# KiCad board sdi-fiber-adapter.kicad_pcb
title: SDI-Fiber Adapter; date: 2026-04-01; rev: 1.0.1; company: Antmicro; note: www.antmicro.com
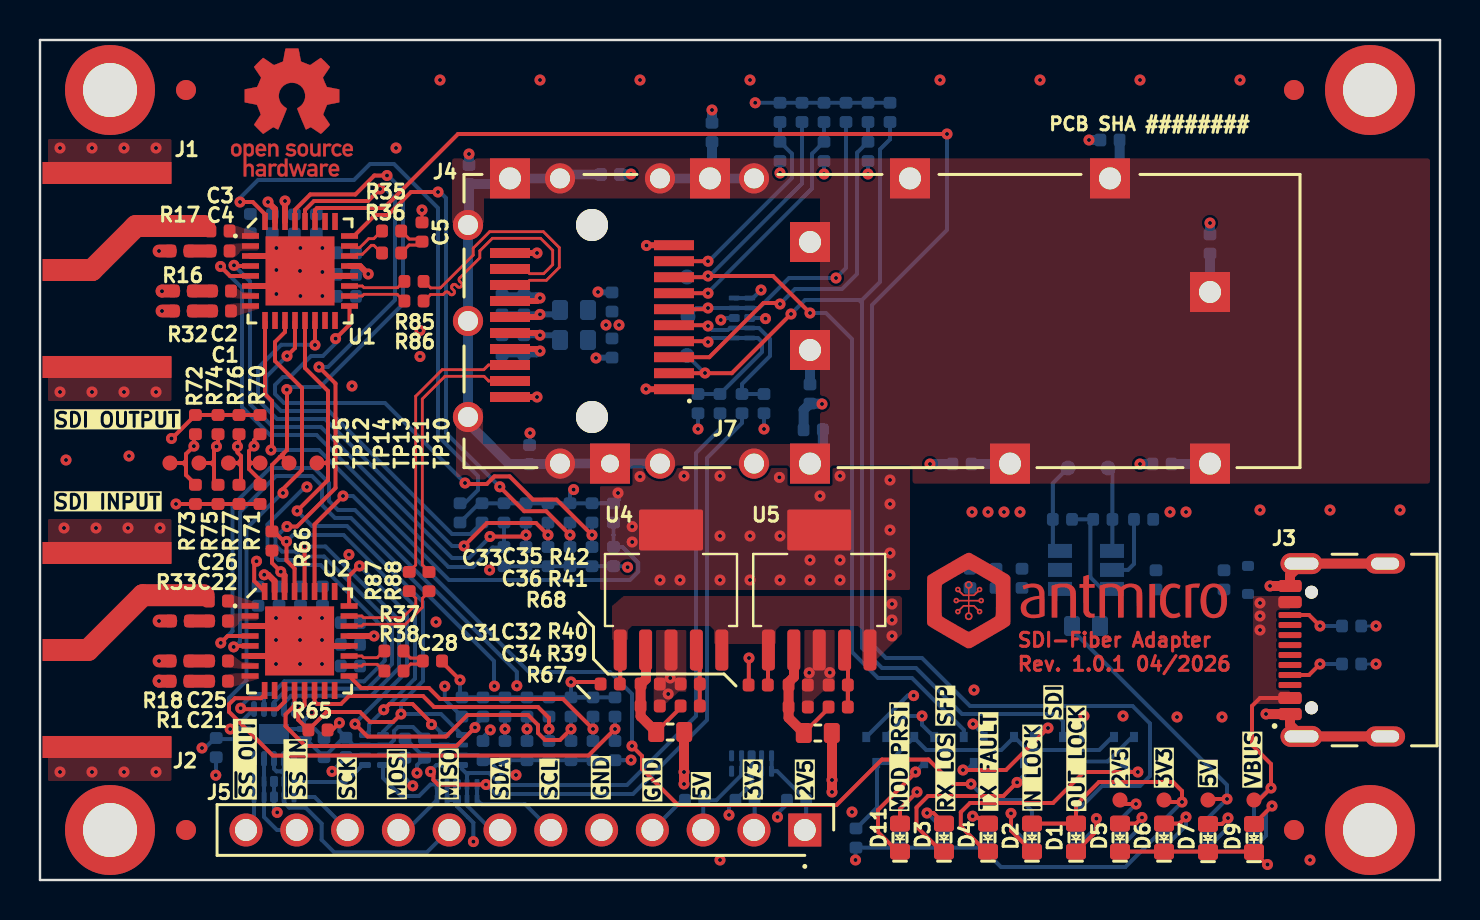
[diagram p0: board, top side]
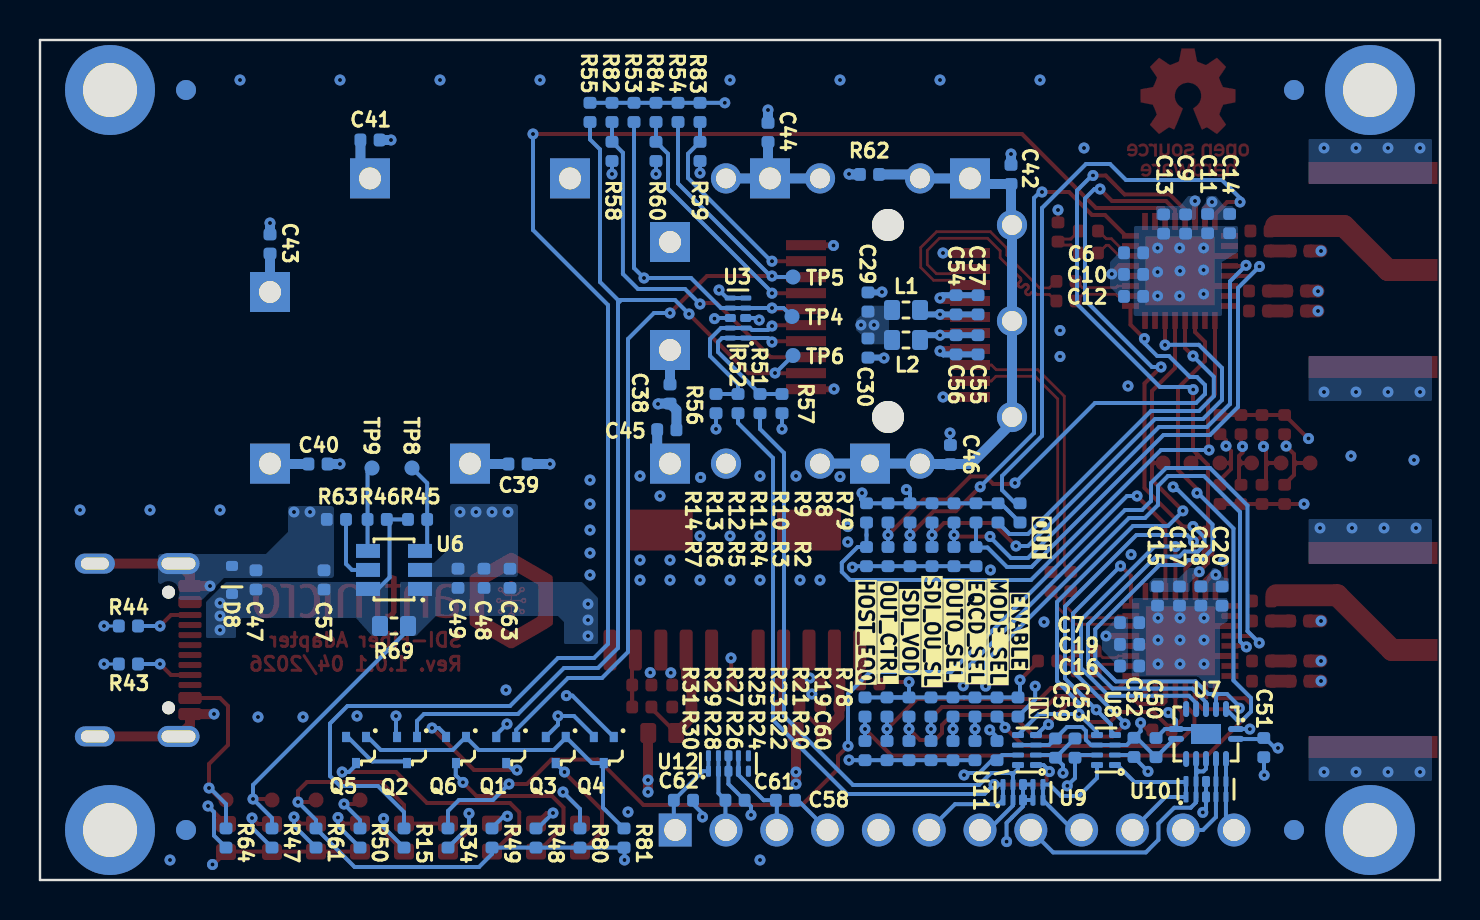
[diagram p1: board, bottom side, seen from below]

Outline 70 x 42 mm; copper layers: Top, In1.Cu, In2.Cu, Bottom. Coordinates in mm from the lower left corner of the outline.
Outline path: 0,42 70,42 70,0 0,0 0,42
Stack: Top 0.035mm / dielectric 0.12mm PR2116 er 4.1 / In1.Cu 0.035mm / dielectric 1.2mm FR4 er 4.3 / In2.Cu 0.035mm / dielectric 0.12mm PR2116 er 4.1 / Bottom 0.035mm

## Placement (name value [footprint] x y rotation side)
C1  C_4u7_0402  [C_0402_1005Metric]  9.07 28.45 0 top
C2  C_4u7_0402  [C_0402_1005Metric]  9.07 29.45 0 top
C3  C_4u7_0402  [C_0402_1005Metric]  9 32.45 0 top
C4  C_4u7_0402  [C_0402_1005Metric]  9 31.45 0 top
C5  C_4u7_0402  [C_0402_1005Metric]  19.1 32.4 270 top  (not fitted)
C6  C_1u_0402  [C_0402_1005Metric]  15.32 31.36 0 bottom
C7  C_1u_0402  [C_0402_1005Metric]  15.52 12.87 0 bottom
C9  C_100n_0402  [C_0402_1005Metric]  12.72 32.8 90 bottom
C10  C_100n_0402  [C_0402_1005Metric]  15.32 30.28 0 bottom
C11  C_100n_0402  [C_0402_1005Metric]  11.62 32.82 90 bottom
C12  C_10u_10V_0402  [C_0402_1005Metric]  15.32 29.18 0 bottom
C13  C_1u_0402  [C_0402_1005Metric]  13.82 32.8 90 bottom
C14  C_1u_0402  [C_0402_1005Metric]  10.52 32.82 90 bottom
C15  C_10u_10V_0402  [C_0402_1005Metric]  14.12 14.2 90 bottom
C16  C_1u_0402  [C_0402_1005Metric]  15.52 10.7 0 bottom
C17  C_100n_0402  [C_0402_1005Metric]  13.03 14.2 90 bottom
C18  C_1u_0402  [C_0402_1005Metric]  11.96 14.2 90 bottom
C19  C_100n_0402  [C_0402_1005Metric]  15.52 11.78 0 bottom
C20  C_100n_0402  [C_0402_1005Metric]  10.9 14.19 90 bottom
C21  C_4u7_0402  [C_0402_1005Metric]  8.92 9.94 0 top
C22  C_4u7_0402  [C_0402_1005Metric]  8.92 13.95 0 top
C25  C_4u7_0402  [C_0402_1005Metric]  8.92 10.95 0 top
C26  C_4u7_0402  [C_0402_1005Metric]  8.92 12.95 0 top
C28  C_4u7_0402  [C_0402_1005Metric]  19.62 10.95 180 top  (not fitted)
C29  C_10u_10V_0402  [C_0402_1005Metric]  28.6 28.9 270 bottom
C30  C_100n_0402  [C_0402_1005Metric]  28.6 26.6 90 bottom
C31  C_10u_10V_0402  [C_0402_1005Metric]  28.51 9.8 0 top
C32  C_10u_10V_0402  [C_0402_1005Metric]  30.51 9.8 180 top
C33  C_10u_10V_0402  [C_0402_1005Metric]  35.91 9.75 0 top
C34  C_100n_0402  [C_0402_1005Metric]  30.51 8.7 180 top
C35  C_10u_10V_0402  [C_0402_1005Metric]  37.91 9.75 180 top
C36  C_100n_0402  [C_0402_1005Metric]  37.91 8.65 180 top
C37  C_10u_10V_0402  [C_0402_1005Metric]  23.1 28.76 270 bottom
C38  C_100n_0402  [C_0402_1005Metric]  38.5 24.3 90 bottom
C39  C_100n_0402  [C_0402_1005Metric]  46.1 20.8 0 bottom
C40  C_100n_0402  [C_0402_1005Metric]  56.1 20.8 0 bottom
C41  C_100n_0402  [C_0402_1005Metric]  53.5 37 0 bottom
C42  C_100n_0402  [C_0402_1005Metric]  21.45 35.28 270 bottom
C43  C_100n_0402  [C_0402_1005Metric]  58.5 31.8 270 bottom
C44  C_100n_0402  [C_0402_1005Metric]  33.6 37.38 270 bottom
C45  C_100n_0402  [C_0402_1005Metric]  38.66 22.51 0 bottom
C46  C_100n_0402  [C_0402_1005Metric]  24.48 21.27 270 bottom
C47  C_100n_0402  [C_0402_1005Metric]  59.2 15 90 bottom
C48  C_10u_10V_0402  [C_0402_1005Metric]  47.8 15.08 270 bottom
C49  C_100n_0402  [C_0402_1005Metric]  49.1 15.08 90 bottom
C50  C_100n_0402  [C_0402_1005Metric]  14.2 6.62 270 bottom  (not fitted)
C51  C_100n_0402  [C_0402_1005Metric]  8.81 6.62 90 bottom  (not fitted)
C52  C_100n_0402  [C_0402_1005Metric]  15.3 6.63 90 bottom  (not fitted)
C53  C_100n_0402  [C_0402_1005Metric]  18.25 6.59 270 bottom  (not fitted)
C54  C_100n_0402  [C_0402_1005Metric]  24.2 28.76 270 bottom
C55  C_10u_10V_0402  [C_0402_1005Metric]  23.1 26.76 90 bottom
C56  C_100n_0402  [C_0402_1005Metric]  24.2 26.76 90 bottom
C57  C_1u_0402  [C_0402_1005Metric]  55.8 15 270 bottom
C58  C_100n_0402  [C_0402_1005Metric]  32.73 3.99 180 bottom
C59  C_100n_0402  [C_0402_1005Metric]  19.22 6.59 90 bottom
C60  C_100n_0402  [C_0402_1005Metric]  22.15 6.47 270 bottom
C61  C_100n_0402  [C_0402_1005Metric]  35.25 3.99 180 bottom
C62  C_100n_0402  [C_0402_1005Metric]  37.83 3.99 180 bottom
C63  C_10u_10V_0402  [C_0402_1005Metric]  46.5 15.08 270 bottom
D1  LED_G_0603_LTST-C190GKT  [LED_0603_1608Metric_G]  51.8 2.12 90 top
D2  LED_G_0603_LTST-C190GKT  [LED_0603_1608Metric_G]  49.6 2.12 90 top
D3  LED_R_0603_LTST-C190KRKT  [LED_0603_1608Metric_R]  45.2 2.12 90 top
D4  LED_R_0603_LTST-C190KRKT  [LED_0603_1608Metric_R]  47.4 2.12 90 top
D5  LED_G_0603_LTST-C190GKT  [LED_0603_1608Metric_G]  54 2.12 90 top
D6  LED_G_0603_LTST-C190GKT  [LED_0603_1608Metric_G]  56.2 2.12 90 top
D7  LED_G_0603_LTST-C190GKT  [LED_0603_1608Metric_G]  58.4 2.1 90 top
D8  PESD5Z5.0F  [SOD-523]  60.4 15 90 bottom
D9  LED_G_0603_LTST-C190GKT  [LED_0603_1608Metric_G]  60.7 2.1 90 top
D11  LED_G_0603_LTST-C190GKT  [LED_0603_1608Metric_G]  43 2.12 90 top
FD1  -  [Fiducial_1mm_Mask2mm]  7.3 39.5 0 top
FD2  -  [Fiducial_1mm_Mask2mm]  62.7 39.5 0 top
FD3  -  [Fiducial_1mm_Mask2mm]  62.7 2.5 0 top
FD4  -  [Fiducial_1mm_Mask2mm]  7.3 2.5 0 top
FD5  -  [Fiducial_1mm_Mask2mm]  7.3 39.5 180 bottom
FD6  -  [Fiducial_1mm_Mask2mm]  62.7 39.5 180 bottom
FD7  -  [Fiducial_1mm_Mask2mm]  62.7 2.5 180 bottom
FD8  -  [Fiducial_1mm_Mask2mm]  7.3 2.5 180 bottom
J1  -  [Conn_BNC_031-70526-21]  -6.87 30.5 270 top
J2  -  [Conn_BNC_031-70526-21]  -6.87 11.5 270 top
J3  USB-C_GCT_USB4105-GF-A  [USB-C_Receptacle_GCT_USB4105-GF-A]  66 11.5 90 top
J4  Bel-Fuse_SFP+_Cage_SS-79100-001  [Conn_Bel-Fuse_SFP+_Cage_SS-79100-001]  21.4 23.15 90 top
J5  PinHeader_1x12_P2.54m_Drill1.1mm  [PinHeader_1x12_P2.54mm_Drill1.1mm]  38.24 2.5 180 top
J7  Bel-Fuse_SFP+_1x20_SS-79100-004  [Conn_Bel-Fuse_SFP+_1x20_SS-79100-004]  27.85 27.95 180 top
L1  L_1u_1.8A_0603  [L_0603_1608Metric]  26.7 28.5 180 bottom
L2  L_1u_1.8A_0603  [L_0603_1608Metric]  26.7 27 180 bottom
MP1  -  [MP_Pad4.5mm_Drill2.7mm]  3.5 39.5 0 top
MP2  -  [MP_Pad4.5mm_Drill2.7mm]  66.5 39.5 0 top
MP3  -  [MP_Pad4.5mm_Drill2.7mm]  66.5 2.5 0 top
MP4  -  [MP_Pad4.5mm_Drill2.7mm]  3.5 2.5 0 top
Q1  PJE138K  [SOT-523]  46.69 6.5 0 bottom
Q2  PJE138K  [SOT-523]  51.65 6.5 0 bottom
Q3  PJE138K  [SOT-523]  44.21 6.5 0 bottom
Q4  PJE138K  [SOT-523]  41.81 6.5 0 bottom
Q5  PJE138K  [SOT-523]  54.2 6.5 0 bottom
Q6  PJE138K  [SOT-523]  49.2 6.5 0 bottom
R1  R_75R_0402  [R_0402_1005Metric]  7 9.94 0 top
R2  R_1k_0402  [R_0402_1005Metric]  23.2 16.17 270 bottom
R3  R_1k_0402  [R_0402_1005Metric]  24.3 16.17 270 bottom
R4  R_1k_0402  [R_0402_1005Metric]  25.4 16.17 270 bottom
R5  R_1k_0402  [R_0402_1005Metric]  26.5 16.17 270 bottom  (not fitted)
R6  R_1k_0402  [R_0402_1005Metric]  27.6 16.17 270 bottom  (not fitted)
R7  R_1k_0402  [R_0402_1005Metric]  28.68 16.17 270 bottom  (not fitted)
R8  R_1k_0402  [R_0402_1005Metric]  22.1 18.36 270 bottom
R9  R_1k_0402  [R_0402_1005Metric]  23.2 18.36 270 bottom  (not fitted)
R10  R_1k_0402  [R_0402_1005Metric]  24.3 18.36 270 bottom  (not fitted)
R11  R_1k_0402  [R_0402_1005Metric]  25.4 18.36 270 bottom  (not fitted)
R12  R_1k_0402  [R_0402_1005Metric]  26.5 18.36 270 bottom  (not fitted)
R13  R_1k_0402  [R_0402_1005Metric]  27.6 18.36 270 bottom  (not fitted)
R14  R_1k_0402  [R_0402_1005Metric]  28.68 18.36 270 bottom  (not fitted)
R15  R_1k_0402  [R_0402_1005Metric]  51.8 2.1 270 bottom
R16  R_75R_0402  [R_0402_1005Metric]  7.17 28.45 0 top
R17  R_75R_0402  [R_0402_1005Metric]  7 31.45 0 top
R18  R_75R_0402  [R_0402_1005Metric]  7 10.95 0 top
R19  R_1k_0402  [R_0402_1005Metric]  22.15 8.65 270 bottom
R20  R_1k_0402  [R_0402_1005Metric]  23.25 6.47 270 bottom  (not fitted)
R21  R_1k_0402  [R_0402_1005Metric]  23.25 8.65 270 bottom
R22  R_1k_0402  [R_0402_1005Metric]  24.35 6.47 270 bottom  (not fitted)
R23  R_1k_0402  [R_0402_1005Metric]  24.35 8.65 270 bottom  (not fitted)
R24  R_1k_0402  [R_0402_1005Metric]  25.45 6.47 270 bottom
R25  R_1k_0402  [R_0402_1005Metric]  25.45 8.65 270 bottom  (not fitted)
R26  R_1k_0402  [R_0402_1005Metric]  26.55 6.47 270 bottom  (not fitted)
R27  R_1k_0402  [R_0402_1005Metric]  26.55 8.65 270 bottom  (not fitted)
R28  R_1k_0402  [R_0402_1005Metric]  27.65 6.47 270 bottom
R29  R_1k_0402  [R_0402_1005Metric]  27.65 8.65 270 bottom  (not fitted)
R30  R_1k_0402  [R_0402_1005Metric]  28.75 6.47 270 bottom
R31  R_1k_0402  [R_0402_1005Metric]  28.75 8.65 270 bottom  (not fitted)
R32  R_75R_0402  [R_0402_1005Metric]  7.17 29.45 0 top
R33  R_75R_0402  [R_0402_1005Metric]  7.02 12.95 0 top
R34  R_1k_0402  [R_0402_1005Metric]  49.6 2.1 270 bottom
R35  R_50R_0402  [R_0402_1005Metric]  17.58 32.45 0 top  (not fitted)
R36  R_50R_0402  [R_0402_1005Metric]  17.58 31.35 0 top  (not fitted)
R37  R_50R_0402  [R_0402_1005Metric]  17.7 11.45 0 top  (not fitted)
R38  R_50R_0402  [R_0402_1005Metric]  17.7 10.45 0 top  (not fitted)
R39  R_4k22_0402  [R_0402_1005Metric]  32.51 8.7 180 top
R40  R_4k02_0402  [R_0402_1005Metric]  32.51 9.8 0 top
R41  R_6k98_0402  [R_0402_1005Metric]  39.91 8.65 180 top
R42  R_4k02_0402  [R_0402_1005Metric]  39.91 9.75 0 top
R43  R_5k1_0402  [R_0402_1005Metric]  65.58 10.8 180 bottom
R44  R_5k1_0402  [R_0402_1005Metric]  65.58 12.7 180 bottom
R45  R_10k_0402  [R_0402_1005Metric]  51.12 18.03 0 bottom
R46  R_10k_0402  [R_0402_1005Metric]  53.14 18.03 180 bottom
R47  R_2k2_0402  [R_0402_1005Metric]  58.4 2.1 90 bottom
R48  R_1k2_0402  [R_0402_1005Metric]  45.2 2.1 270 bottom
R49  R_1k2_0402  [R_0402_1005Metric]  47.4 2.1 270 bottom
R50  R_330R_0402  [R_0402_1005Metric]  54 2.1 90 bottom
R51  R_0R_0402  [R_0402_1005Metric]  34 23.82 90 bottom
R52  R_0R_0402  [R_0402_1005Metric]  35.1 23.82 90 bottom
R53  R_10k_0402  [R_0402_1005Metric]  40.3 38.38 90 bottom
R54  R_10k_0402  [R_0402_1005Metric]  38.1 38.38 90 bottom
R55  R_10k_0402  [R_0402_1005Metric]  42.5 38.38 90 bottom
R56  R_10k_0402  [R_0402_1005Metric]  36.2 23.82 270 bottom
R57  R_10k_0402  [R_0402_1005Metric]  32.9 23.82 270 bottom
R58  R_0R_0402  [R_0402_1005Metric]  41.4 36.43 90 bottom
R59  R_0R_0402  [R_0402_1005Metric]  37 36.43 90 bottom
R60  R_0R_0402  [R_0402_1005Metric]  39.2 36.43 90 bottom  (not fitted)
R61  R_1k_0402  [R_0402_1005Metric]  56.2 2.1 90 bottom
R62  R_330R_0402  [R_0402_1005Metric]  28.53 35.28 180 bottom
R63  R_2k2_0402  [R_0402_1005Metric]  55.18 18.03 180 bottom
R64  R_2k2_0402  [R_0402_1005Metric]  60.7 2.1 90 bottom
R65  R_10k_0402  [R_0402_1005Metric]  13.9 7.5 0 top
R66  R_10k_0402  [R_0402_1005Metric]  11.6 16.95 270 top
R67  R_0R_22.4A_0603  [R_0603_1608Metric]  31.51 7.4 0 top
R68  R_0R_22.4A_0603  [R_0603_1608Metric]  38.89 7.35 0 top
R69  R_0R_22.4A_0603  [R_0603_1608Metric]  52.3 12.7 180 bottom  (not fitted)
R70  R_1k_0402  [R_0402_1005Metric]  11 22.77 90 top  (not fitted)
R71  R_1k_0402  [R_0402_1005Metric]  11 19.28 90 top  (not fitted)
R72  R_1k_0402  [R_0402_1005Metric]  7.77 22.77 90 top  (not fitted)
R73  R_1k_0402  [R_0402_1005Metric]  7.77 19.28 90 top  (not fitted)
R74  R_1k_0402  [R_0402_1005Metric]  8.9 22.77 90 top  (not fitted)
R75  R_1k_0402  [R_0402_1005Metric]  8.9 19.28 90 top  (not fitted)
R76  R_1k_0402  [R_0402_1005Metric]  9.95 22.77 90 top
R77  R_1k_0402  [R_0402_1005Metric]  9.95 19.28 90 top  (not fitted)
R78  R_1k_0402  [R_0402_1005Metric]  21.1 8.65 270 bottom  (not fitted)
R79  R_1k_0402  [R_0402_1005Metric]  21 18.36 90 bottom  (not fitted)
R80  R_1k_0402  [R_0402_1005Metric]  43 2.1 270 bottom
R81  R_10k_0402  [R_0402_1005Metric]  40.8 2.1 270 bottom
R82  R_10k_0402  [R_0402_1005Metric]  41.4 38.38 90 bottom  (not fitted)
R83  R_10k_0402  [R_0402_1005Metric]  37 38.38 90 bottom  (not fitted)
R84  R_10k_0402  [R_0402_1005Metric]  39.2 38.38 90 bottom  (not fitted)
R85  R_0R_0402  [R_0402_1005Metric]  18.7 29.93 0 top
R86  R_0R_0402  [R_0402_1005Metric]  18.7 28.95 0 top
R87  R_0R_0402  [R_0402_1005Metric]  18.46 14.92 90 top
R88  R_0R_0402  [R_0402_1005Metric]  19.45 14.92 90 top
REF**  -  [antmicro-logo_scaled_15mm]  52.3 13.9 0 top
REF**#2  LOGO  [oshw-logo]  12.6 38.38 0 top
TP1  TP_0.75mm_SMD  [TP_SMD_0.75mm]  58.4 4 90 top
TP2  TP_0.75mm_SMD  [TP_SMD_0.75mm]  54 4 90 top
TP3  TP_0.75mm_SMD  [TP_SMD_0.75mm]  56.2 4 90 top
TP4  TP_0.75mm_SMD  [TP_SMD_0.75mm]  32.4 28.17 180 bottom
TP5  TP_0.75mm_SMD  [TP_SMD_0.75mm]  32.35 30.15 180 bottom
TP6  TP_0.75mm_SMD  [TP_SMD_0.75mm]  32.35 26.22 180 bottom
TP7  TP_0.75mm_SMD  [TP_SMD_0.75mm]  60.7 4 90 top
TP8  TP_0.75mm_SMD  [TP_SMD_0.75mm]  51.4 20.6 270 bottom
TP9  TP_0.75mm_SMD  [TP_SMD_0.75mm]  53.4 20.6 270 bottom
TP10  TP_0.75mm_SMD  [TP_SMD_0.75mm]  13.85 20.85 90 top
TP11  TP_0.75mm_SMD  [TP_SMD_0.75mm]  12.45 20.85 90 top
TP12  TP_0.75mm_SMD  [TP_SMD_0.75mm]  7.95 20.85 0 top
TP13  TP_0.75mm_SMD  [TP_SMD_0.75mm]  11 20.85 0 top
TP14  TP_0.75mm_SMD  [TP_SMD_0.75mm]  9.42 20.85 0 top
TP15  TP_0.75mm_SMD  [TP_SMD_0.75mm]  6.5 20.85 0 top
U1  LMH0397  [QFN-32-1EP_5x5mm]  13.02 30.5 0 top
U2  LMH0397  [QFN-32-1EP_5x5mm]  13 12 0 top
U3  TPD4E05U06QDQARQ1  [USON-10_2.5x1mm_P0.5mm]  35.1 28.1 0 bottom
U4  TPS73801  [SOT-223-6]  31.55 14.5 0 top
U5  TPS73801  [SOT-223-6]  38.96 14.5 0 top
U6  AP22615A_TSOT26  [TSOT23-6]  52.3 15.5 0 bottom
U7  NTS0104_DHVQFN  [DHVQFN-14-1EP_2.5x3mm]  11.7 7.3 270 bottom  (not fitted)
U8  NTS0102_XSON  [XSON-8_1x1.95mm_P0.5mm]  16.7 6.5 0 bottom  (not fitted)
U9  TPD4E05U06QDQARQ1  [USON-10_2.5x1mm_P0.5mm]  20.85 4.39 90 bottom
U10  TPD4E05U06QDQARQ1  [USON-10_2.5x1mm_P0.5mm]  11.7 4.54 90 bottom
U11  NTS0102_XSON  [XSON-8_1x1.95mm_P0.5mm]  20.65 6.5 0 bottom
U12  TPD4E05U06QDQARQ1  [USON-10_2.5x1mm_P0.5mm]  35.58 5.83 90 bottom

## Library data of the parts
C1-C5 C21 C22 C25 C26 C28 = -: Datasheet: https://www.murata.com/products/productdetail?partno=GRM155R61A475MEAA%23; Description: SMD Multilayer Ceramic Capacitor, 4.7 µF, 10 V, 0402 [1005 Metric], ± 20%, X5R, GRM Series; MPN: GRM155R61A475MEAAD; Manufacturer: Murata; License: Apache-2.0; Author: Antmicro; Val: 4u7
C6 C7 C13 C14 C16 C18 C57 = -: Datasheet: https://product.tdk.com/en/search/capacitor/ceramic/mlcc/info?part_no=C1005X6S1A105K050BC; Description: SMD Multilayer Ceramic Capacitor, 1 µF, 10 V, 0402 [1005 Metric], ± 10%, X6S, C; MPN: C1005X6S1A105K050BC; Manufacturer: TDK; License: Apache-2.0; Author: Antmicro; Val: 1u
C9-C11 C17 C19 C20 C30 C34 C36 C38-C46 C54 C56 = -: Datasheet: https://www.murata.com/products/productdetail?partno=GRM155R61H104KE14%23; Description: SMD Multilayer Ceramic Capacitor, 0.1 µF, 50 V, 0402 [1005 Metric], ± 10%, X5R, GRM Series; MPN: GRM155R61H104KE14D; Manufacturer: Murata; License: Apache-2.0; Author: Antmicro; Val: 100n; Voltage: 50V; Dielectric: X5R
C12 C15 C29 C31-C33 C35 C37 C48 C55 C63 = -: Datasheet: https://www.murata.com/products/productdetail?partno=GRM155R61A106ME11%23; Description: Multilayer Ceramic Capacitors MLCC - SMD/SMT 10 uF 10 VDC 20% 0402 X5R; MPN: GRM155R61A106ME11D; Manufacturer: Murata; License: Apache-2.0; Author: Antmicro; Val: 10u; Voltage: 10V; Dielectric: X5R
C47 C49-C53 C58-C62 = -: Datasheet: https://www.murata.com/products/productdetail?partno=GRM155R61H104KE14%23; Description: SMD Multilayer Ceramic Capacitor, 0.1 µF, 50 V, 0402 [1005 Metric], ± 10%, X5R, GRM Series; Manufacturer: Murata; MPN: GRM155R61H104KE14D; Val: 100n; License: Apache-2.0; Author: Antmicro; Voltage: 50V; Dielectric: X5R
D1 D2 D5 D6 D11 = -: Datasheet: https://media.digikey.com/pdf/Data%20Sheets/Lite-On%20PDFs/LTST-C190GKT.pdf; Description: LED, Green, SMD, 0603, 20 mA, 2.1 V, 569 nm; MPN: LTST-C190GKT; Manufacturer: Lite-On; Color: Green; Author: Antmicro; License: Apache-2.0
D3 D4 = -: Datasheet: https://optoelectronics.liteon.com/upload/download/DS-22-99-0151/LTST-C190KRKT.pdf; Description: LED, Red, SMD, 0603, 25 mA, 2 V, 631 nm; MPN: LTST-C190KRKT; Manufacturer: Lite-On; Color: Red; Author: Antmicro; License: Apache-2.0
D7 D9 = -: Datasheet: https://media.digikey.com/pdf/Data%20Sheets/Lite-On%20PDFs/LTST-C190GKT.pdf; Description: LED, Green, SMD, 0603, 20 mA, 2.1 V, 569 nm; MPN: LTST-C190GKT; Manufacturer: Lite-On; Author: Antmicro; License: Apache-2.0; Color: Green
D8 = -: Datasheet: https://assets.nexperia.com/documents/data-sheet/PESD5Z5_0.pdf; Description: Unidirectional TVS, 30 kV,  SOD-523, 5 V, 89 pF; Manufacturer: Nexperia; Author: Antmicro; License: Apache-2.0
FD1-FD8 = -: Description: Fiducial mask; Author: Antmicro; License: Apache-2.0
J1 J2 = -: Datasheet: https://www.farnell.com/cad/2305565.pdf?_ga=2.190633003.1014497200.1574067480-156563690.1566371002&_gac=1.57062104.1572875319.Cj0KCQiAtf_tBRDtARIsAIbAKe0A1M5y_jdFCiNLNrHM5L2GjmDvn_4qnRvhHAD9jBdL9AmoMNThLCoaAjhJEALw_wcB; Description: RF / Coaxial Connector, BNC Coaxial, Straight Bulkhead Jack, Board Edge / End Launch, 75 ohm; MPN: 031-70526-21; Manufacturer: Amphenol; Author: Antmicro; License: Apache-2.0; ki_fp_filters: *BNC* *SMA* *SMB* *SMC* *Cinch*
J3 = -: Datasheet: https://gct.co/files/drawings/usb4105.pdf; Description: USB-C (USB TYPE-C) USB 2.0 Receptacle Connector 24 (16+8 Dummy) Position Surface Mount, Right Angle; Manufacturer: GCT; MPN: USB4105-GF-A; Author: Antmicro; License: Apache-2.0
J4 = -: Datasheet: https://www.cinch.com/media/datasheets/products/ethernet-usb/ds-stw-sfp-cages.pdf; Description: SFP+ Cage, Works with: Bel-Fuse_SFP+_1x20_SS-79100-004; MPN: SS-79100-001; Manufacturer: Bel Fuse; Author: Antmicro; License: Apache-2.0
J5 = -: Datasheet: https://www.farnell.com/datasheets/2945533.pdf; Description: Pin Header, Board-to-Board, 2.54 mm, 1 Rows, 12 Contacts, Through Hole, WR-PHD; MPN: MC34733; Manufacturer: Multicomp Pro; Author: Antmicro; License: Apache-2.0
J7 = -: Datasheet: https://www.cinch.com/media/datasheets/products/ethernet-usb/ds-stw-sfp-cages.pdf; Description: SFP+ Edge Connector, Right Angle, Works with: Bel-Fuse_SFP+_Cage_SS-79100-001; MPN: SS-79100-004; Manufacturer: Bel Fuse; Author: Antmicro; License: Apache-2.0
L1 L2 = -: Datasheet: https://search.murata.co.jp/Ceramy/image/img/P02/JETE243A-0041.pdf; Description: Power Inductor (SMT), 1 µH, 1.8 A, Shielded, 1.9 A, DFE Series, 0603 [1608 Metric]; Val: 1u/1.8A; Manufacturer: Murata; MPN: DFE18SBN1R0ME0L; ISat: 1.9A; IMax: 1.8A; Size: 1.6x0.8; Author: Antmicro; License: Apache-2.0
MP1-MP4 = -: Description: Mechanical part; Author: Antmicro; License: Apache-2.0
Q1-Q6 = -: Datasheet: https://www.mouser.com/datasheet/2/1057/PJE138K-1876698.pdf; Description: MOSFET, N Channel, 50V, 0.35A, 4.5 ohm, SOT-523, Surface Mount; MPN: PJE138K_R1_00001; Manufacturer: PANJIT; Author: Antmicro; License: Apache-2.0
R1 R16-R18 R32 R33 = -: Datasheet: https://www.bourns.com/docs/product-datasheets/cr.pdf; Description: SMD Chip Resistor, 75 ohm, ± 1%, 62.5 mW, 0402 [1005 Metric], Thick Film, General Purpose; MPN: CR0402-FX-75R0GLF; Manufacturer: Bourns; License: Apache-2.0; Author: Antmicro; Val: 75R; Tolerance: 1%
R2-R15 R19-R31 R34 R61 R70-R80 = -: Datasheet: https://www.bourns.com/docs/product-datasheets/cr.pdf; Description: SMD Chip Resistor, 1 kohm, ± 1%, 63 mW, 0402 [1005 Metric], Thick Film, General Purpose; MPN: CR0402-FX-1001GLF; Manufacturer: Bourns; License: Apache-2.0; Author: Antmicro; Val: 1k; Tolerance: 1%
R35-R38 = -: Datasheet: https://www.bourns.com/docs/product-datasheets/cr.pdf; Description: SMD Chip Resistor; MPN: CR0402-FX-50R0GLF; Manufacturer: Bourns; License: Apache-2.0; Author: Antmicro; Val: 50R; Tolerance: 1%
R39 = -: Datasheet: https://www.farnell.com/datasheets/3795017.pdf; Description: SMD Chip Resistor, 4.22 kohm, ± 1%, 63 mW, 0402 [1005 Metric], Thick Film, General Purpose; MPN: RC0402FR-074K22L; Manufacturer: YAGEO; License: Apache-2.0; Author: Antmicro; Val: 4k22; Tolerance: 1%
R40 R42 = -: Datasheet: https://www.bourns.com/docs/product-datasheets/cr.pdf; Description: SMD Chip Resistor; MPN: CR0402-FX-4021GLF; Manufacturer: Bourns; License: Apache-2.0; Author: Antmicro; Val: 4k02; Tolerance: 1%
R41 = -: Datasheet: https://www.bourns.com/docs/product-datasheets/cr.pdf; Description: SMD Chip Resistor, 6.98 kohm, ± 1%, 100 mW, 0402 [1005 Metric], Thick Film, Precision; MPN: CR0402-FX-6981GLF; Manufacturer: Bourns; License: Apache-2.0; Author: Antmicro; Val: 6k98; Tolerance: 1%
R43 R44 = -: Datasheet: https://www.bourns.com/docs/product-datasheets/cr.pdf; Description: SMD Chip Resistor, 5.1 kohm, ± 1%, 63 mW, 0402 [1005 Metric], Thick Film, General Purpose; MPN: CR0402-FX-5101GLF; Manufacturer: Bourns; License: Apache-2.0; Author: Antmicro; Val: 5k1; Tolerance: 1%
R45 R46 R53-R57 R65 R66 R81-R84 = -: Datasheet: https://www.bourns.com/docs/product-datasheets/cr.pdf; Description: SMD Chip Resistor, 10 kohm, ± 1%, 62.5 mW, 0402 [1005 Metric], Thick Film, General Purpose; MPN: CR0402-FX-1002GLF; Manufacturer: Bourns; License: Apache-2.0; Author: Antmicro; Val: 10k; Tolerance: 1%
R47 R64 = -: Datasheet: https://www.bourns.com/docs/product-datasheets/cr.pdf; Description: SMD Chip Resistor, 2.2 kohm, ± 1%, 62.5 mW, 0402 [1005 Metric], Thick Film, General Purpose; MPN: CR0402-FX-2201GLF; Manufacturer: Bourns; License: Apache-2.0; Author: Antmicro; Val: 2k2; Tolerance: 1%
R48 R49 = -: Datasheet: https://www.bourns.com/docs/product-datasheets/cr.pdf; Description: SMD Chip Resistor, 1.2 kohm, ± 1%, 62.5 mW, 0402 [1005 Metric], Thick Film, General Purpose; MPN: CR0402-FX-1201GLF; Manufacturer: Bourns; License: Apache-2.0; Author: Antmicro; Val: 1k2; Tolerance: 1%
R50 R62 = -: Datasheet: https://www.bourns.com/docs/product-datasheets/cr.pdf; Description: SMD Chip Resistor, 330 ohm, ± 1%, 62.5 mW, 0402 [1005 Metric], Thick Film, General Purpose; MPN: CR0402-FX-3300GLF; Manufacturer: Bourns; License: Apache-2.0; Author: Antmicro; Val: 330R; Tolerance: 1%
R51 R52 R58-R60 R85-R88 = -: Datasheet: https://industrial.panasonic.com/cdbs/www-data/pdf/RDA0000/AOA0000C301.pdf; Description: SMD Chip Resistor, Jumper, 0 ohm, 100 mW, 0402 [1005 Metric], Thick Film, General Purpose; MPN: ERJ2GE0R00X; Manufacturer: Panasonic; License: Apache-2.0; Author: Antmicro; Val: 0R; Current: 1A
R63 = -: Datasheet: https://www.bourns.com/docs/product-datasheets/cr.pdf; Description: SMD Chip Resistor, 2.2 kohm, ± 1%, 62.5 mW, 0402 [1005 Metric], Thick Film, General Purpose; Manufacturer: Bourns; MPN: CR0402-FX-2201GLF; Val: 2k2; License: Apache-2.0; Author: Antmicro; Tolerance: 1%
R67-R69 = -: Datasheet: https://fscdn.rohm.com/en/products/databook/datasheet/passive/resistor/chip_resistor/pmr-jpw-e.pdf; Description: SMD Chip Resistor; Manufacturer: ROHM Semiconductor; MPN: PMR03EZPJ000; Val: 0R; Author: Antmicro; License: Apache-2.0; Max. Curr.: 22.4A; Tolerance: template_tolerance
TP1-TP15 = -: Description: SMT test point; Author: Antmicro; License: Apache-2.0
U1 U2 = -: Datasheet: https://www.ti.com/lit/ds/symlink/lmh0397.pdf?ts=1770378677663; Description: 3G-SDI Bidirectional I/O With Integrated Reclocker; MPN: LMH0397RTVR; Manufacturer: Texas Instruments; Author: Antmicro; License: Apache-2.0
U3 U9 U10 U12 = -: Datasheet: https://www.ti.com/lit/ds/symlink/tpd4e05u06-q1.pdf?HQS=dis-mous-null-mousermode-dsf-pf-null-wwe&ts=1663591265741&ref_url=https%253A%252F%252Fwww.mouser.com%252F; Description: TVS diode array, 12 kV, USON-10, 5.5 V, 0.5 pF; Manufacturer: Texas Instruments; Author: Antmicro; License: Apache-2.0
U4 U5 = -: Datasheet: https://www.ti.com/lit/ds/symlink/tps73801.pdf?ts=1721932047256&ref_url=https%253A%252F%252Fwww.ti.com%252Fproduct%252FTPS73801%253Fbm-verify%253DAAQAAAAJ_____3hdSPkLgC-kRNcgDaqsA9nKtY7Egesi_6kQ58MlCD4a3lO7oswUAl4eJokcVM-aEJEpTDq35FaxKnKb9fk91jEs8iz9-FKCnJQIMsUPTdOW7wNiME53RHIpaQTmGZGJGqThBoRU2Wy2aP8BdmPqXS6wBVQC7RWkU3I7Izlx-_DQ6krKWZuOWhGTcSDD2SCzfvo9x7eJDSChGmfo-7iAs_nM3p3sD7MYbe8Uod_9wC3skGeEBHFklvXNwyPFYMCyqIgKJicx4X8390adt4Hq3ip3K5O_hefP-oTp-6DIqMuMOfQsvg; Description: Low-Noise Fast-Transient-Response Low-Dropout Regulator; MPN: TPS73801DCQR; Manufacturer: Texas Instruments; Author: Antmicro; License: Apache-2.0